# Altium PCB 移动无线控制.PcbDoc (part 1 of 4) (continued)
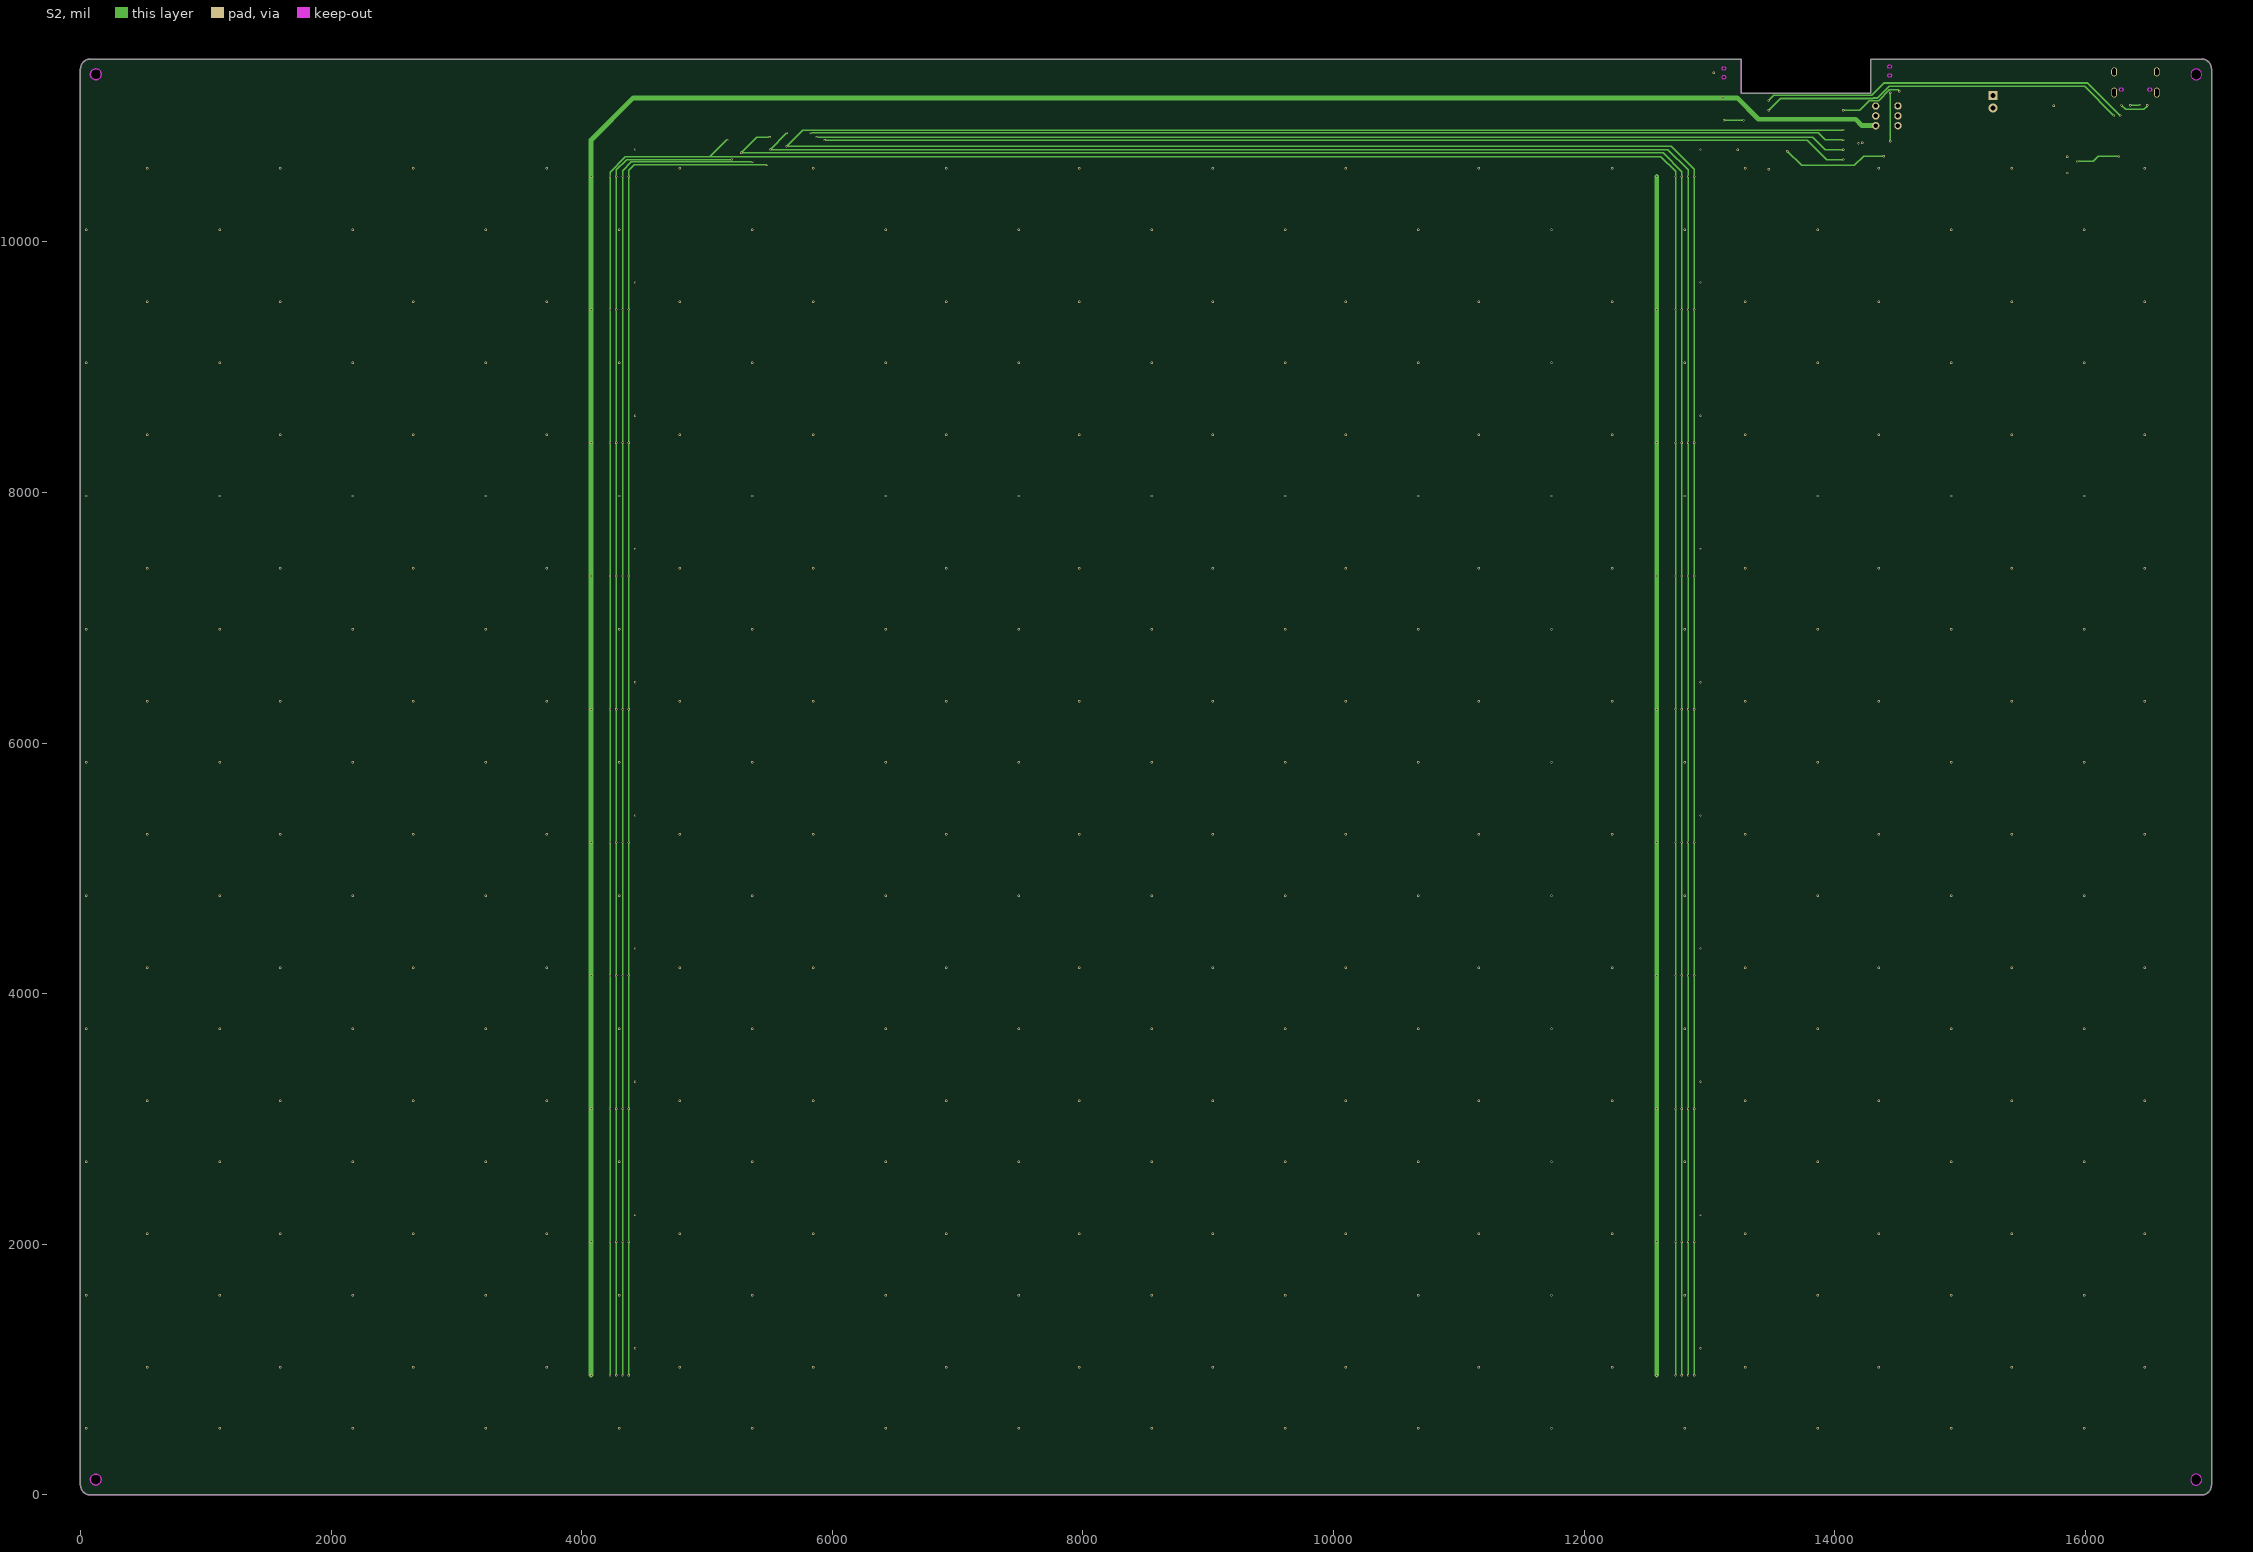
[diagram p3: S2]

## Layer stack, top to bottom
Top Solder: solder mask 0.4, Solder Resist, Dk 3.5
Top Layer: signal copper 1.4
Dielectric 1: core 10, FR-4, Dk 4.2
GND: signal copper 1.417
Dielectric 2: core 10, Dk 4.2
S2: signal copper 1.417
Dielectric 3: prepreg 5, Dk 4.2
Bottom Layer: signal copper 1.4
Bottom Solder: solder mask 0.4, Solder Resist, Dk 3.5

## Board outline
0,78.74 0,11380.96 cw(c78.74,11380.96) 78.74,11459.7 13254.45,11459.7 13254.45,11188.1 14288.15,11188.1 14288.15,11459.7 16929.13,11459.7 cw(c16929.13,11380.96) 17007.87,11380.96 17007.87,78.74 cw(c16929.13,78.74) 16929.13,0 78.74,0 cw(c78.74,78.74)
cut-out: 121.95,79.09 cw(c121.95,122.39) 78.64,122.39 cw(c121.95,122.39) 121.95,165.7 cw(c121.95,122.39) 165.26,122.39 cw(c121.95,122.39)
cut-out: 16841.97,121.95 ccw(c16885.28,121.95) 16885.28,78.64 ccw(c16885.28,121.95) 16928.59,121.95 ccw(c16885.28,121.95) 16885.28,165.26 ccw(c16885.28,121.95)
cut-out: 16842.62,11337.11 ccw(c16885.92,11337.11) 16885.92,11293.8 ccw(c16885.92,11337.11) 16929.23,11337.11 ccw(c16885.92,11337.11) 16885.92,11380.41 ccw(c16885.92,11337.11)
cut-out: 122.59,11294.44 cw(c122.59,11337.75) 79.29,11337.75 cw(c122.59,11337.75) 122.59,11381.06 cw(c122.59,11337.75) 165.9,11337.75 cw(c122.59,11337.75)

## Design rules (kind name [scope] priority, off if disabled: settings)
Clearance [All] p1: gap=10 except(3.94: Via-Poly; 5: Track-Track Track-SMDPad Track-THPad Track-Via SMDPad-SMDPad)
DiffPairsRouting [All] p1: maxlimit=10 minlimit=10 mostfreqgap=10 toplayer_minwidth=15 toplayer_maxwidth=15 toplayer_prefwidth=15 midlayer1_minwidth=15 midlayer1_maxwidth=15 midlayer1_prefwidth=15 midlayer2_minwidth=15 midlayer2_maxwidth=15 midlayer2_prefwidth=15 bottomlayer_minwidth=15 bottomlayer_maxwidth=15 bottomlayer_prefwidth=15 maxuncoupledlength=500
MinimumSolderMaskSliver [All] p1: minsoldermaskwidth=0
PolygonConnect [All] p1: connectstyle=Direct reliefconductorwidth=10 reliefentries=4 polygonreliefangle="90 Angle" airgapwidth=10
RoutingVias [All] p1: holewidth=28 width=50 viastyle="Through Hole" minholewidth=28 minwidth=50 maxholewidth=28 maxwidth=50
SilkToSilkClearance [All] p1: silktosilkclearance=1
SilkToSolderMaskClearance [IsPad] p1: minsilkscreentomaskgap=0 clearancetoexposedcopper=TRUE
SolderMaskExpansion [All] p1: expansion=4
Width [All] p1: maxlimit=39.37 minlimit=5 preferedwidth=10
26 further rules are at their usual default settings.

## Classes and differential pairs
differential pair NewDifferentialPair1: +ESP_TXD -ESP_RXD

## Components (designator, comment, footprint, x,y, rotation, side; value= is the part's Value field where it differs from the comment)
BL1 "Comment" L0402 530.98,10500 r90 bottom
BL1_1 "Comment" L0402 1593.99,10500 r90 bottom
BL1_2 "Comment" L0402 2656.98,10500 r90 bottom
BL1_3 "Comment" L0402 3719.98,10500 r90 bottom
BL1_4 "Comment" L0402 4782.97,10500 r90 bottom
BL1_5 "Comment" L0402 5845.96,10500 r90 bottom
BL1_6 "Comment" L0402 6908.95,10500 r90 bottom
BL1_7 "Comment" L0402 7971.94,10500 r90 bottom
BL1_8 "Comment" L0402 9034.94,10500 r90 bottom
BL1_9 "Comment" L0402 10097.93,10500 r90 bottom
BL1_10 "Comment" L0402 11160.92,10500 r90 bottom
BL1_11 "Comment" L0402 12223.91,10500 r90 bottom
BL1_12 "Comment" L0402 13286.91,10500 r90 bottom
BL1_13 "Comment" L0402 14349.9,10500 r90 bottom
BL1_14 "Comment" L0402 15412.89,10500 r90 bottom
BL1_15 "Comment" L0402 16475.88,10500 r90 bottom
BL2 "Comment" L0402 531,9437.01 r90 bottom
BL2_1 "Comment" L0402 1593.99,9437.01 r90 bottom
BL2_2 "Comment" L0402 2656.98,9437.01 r90 bottom
BL2_3 "Comment" L0402 3719.98,9437.01 r90 bottom
BL2_4 "Comment" L0402 4782.97,9437.01 r90 bottom
BL2_5 "Comment" L0402 5845.96,9437.01 r90 bottom
BL2_6 "Comment" L0402 6908.95,9437.01 r90 bottom
BL2_7 "Comment" L0402 7971.94,9437.01 r90 bottom
BL2_8 "Comment" L0402 9034.94,9437.01 r90 bottom
BL2_9 "Comment" L0402 10097.93,9437.01 r90 bottom
BL2_10 "Comment" L0402 11160.92,9437.01 r90 bottom
BL2_11 "Comment" L0402 12223.91,9437.01 r90 bottom
BL2_12 "Comment" L0402 13286.91,9437.01 r90 bottom
BL2_13 "Comment" L0402 14349.9,9437.01 r90 bottom
BL2_14 "Comment" L0402 15412.89,9437.01 r90 bottom
BL2_15 "Comment" L0402 16475.88,9437.01 r90 bottom
BL3 "Comment" L0402 531,8374.02 r90 bottom
BL3_1 "Comment" L0402 1593.99,8374.02 r90 bottom
BL3_2 "Comment" L0402 2656.98,8374.02 r90 bottom
BL3_3 "Comment" L0402 3719.98,8374.02 r90 bottom
BL3_4 "Comment" L0402 4782.97,8374.02 r90 bottom
BL3_5 "Comment" L0402 5845.96,8374.02 r90 bottom
BL3_6 "Comment" L0402 6908.95,8374.02 r90 bottom
BL3_7 "Comment" L0402 7971.94,8374.02 r90 bottom
BL3_8 "Comment" L0402 9034.94,8374.02 r90 bottom
BL3_9 "Comment" L0402 10097.93,8374.02 r90 bottom
BL3_10 "Comment" L0402 11160.92,8374.02 r90 bottom
BL3_11 "Comment" L0402 12223.91,8374.02 r90 bottom
BL3_12 "Comment" L0402 13286.91,8374.02 r90 bottom
BL3_13 "Comment" L0402 14349.9,8374.02 r90 bottom
BL3_14 "Comment" L0402 15412.89,8374.02 r90 bottom
BL3_15 "Comment" L0402 16475.88,8374.02 r90 bottom
BL4 "Comment" L0402 531,7311.02 r90 bottom
BL4_1 "Comment" L0402 1593.99,7311.02 r90 bottom
BL4_2 "Comment" L0402 2656.98,7311.02 r90 bottom
BL4_3 "Comment" L0402 3719.98,7311.02 r90 bottom
BL4_4 "Comment" L0402 4782.97,7311.02 r90 bottom
BL4_5 "Comment" L0402 5845.96,7311.02 r90 bottom
BL4_6 "Comment" L0402 6908.95,7311.02 r90 bottom
BL4_7 "Comment" L0402 7971.94,7311.02 r90 bottom
BL4_8 "Comment" L0402 9034.94,7311.02 r90 bottom
BL4_9 "Comment" L0402 10097.93,7311.02 r90 bottom
BL4_10 "Comment" L0402 11160.92,7311.02 r90 bottom
BL4_11 "Comment" L0402 12223.91,7311.02 r90 bottom
BL4_12 "Comment" L0402 13286.91,7311.02 r90 bottom
BL4_13 "Comment" L0402 14349.9,7311.02 r90 bottom
BL4_14 "Comment" L0402 15412.89,7311.02 r90 bottom
BL4_15 "Comment" L0402 16475.88,7311.02 r90 bottom
BL5 "Comment" L0402 531,6248.03 r90 bottom
BL5_1 "Comment" L0402 1593.99,6248.03 r90 bottom
BL5_2 "Comment" L0402 2656.98,6248.03 r90 bottom
BL5_3 "Comment" L0402 3719.98,6248.03 r90 bottom
BL5_4 "Comment" L0402 4782.97,6248.03 r90 bottom
BL5_5 "Comment" L0402 5845.96,6248.03 r90 bottom
BL5_6 "Comment" L0402 6908.95,6248.03 r90 bottom
BL5_7 "Comment" L0402 7971.94,6248.03 r90 bottom
BL5_8 "Comment" L0402 9034.94,6248.03 r90 bottom
BL5_9 "Comment" L0402 10097.93,6248.03 r90 bottom
BL5_10 "Comment" L0402 11160.92,6248.03 r90 bottom
BL5_11 "Comment" L0402 12223.91,6248.03 r90 bottom
BL5_12 "Comment" L0402 13286.91,6248.03 r90 bottom
BL5_13 "Comment" L0402 14349.9,6248.03 r90 bottom
BL5_14 "Comment" L0402 15412.89,6248.03 r90 bottom
BL5_15 "Comment" L0402 16475.88,6248.03 r90 bottom
BL6 "Comment" L0402 531,5185.04 r90 bottom
BL6_1 "Comment" L0402 1593.99,5185.04 r90 bottom
BL6_2 "Comment" L0402 2656.98,5185.04 r90 bottom
BL6_3 "Comment" L0402 3719.98,5185.04 r90 bottom
BL6_4 "Comment" L0402 4782.97,5185.04 r90 bottom
BL6_5 "Comment" L0402 5845.96,5185.04 r90 bottom
BL6_6 "Comment" L0402 6908.95,5185.04 r90 bottom
BL6_7 "Comment" L0402 7971.94,5185.04 r90 bottom
BL6_8 "Comment" L0402 9034.94,5185.04 r90 bottom
BL6_9 "Comment" L0402 10097.93,5185.04 r90 bottom
BL6_10 "Comment" L0402 11160.92,5185.04 r90 bottom
BL6_11 "Comment" L0402 12223.91,5185.04 r90 bottom
BL6_12 "Comment" L0402 13286.91,5185.04 r90 bottom
BL6_13 "Comment" L0402 14349.9,5185.04 r90 bottom
BL6_14 "Comment" L0402 15412.89,5185.04 r90 bottom
BL6_15 "Comment" L0402 16475.88,5185.04 r90 bottom
BL7 "Comment" L0402 531,4122.05 r90 bottom
BL7_1 "Comment" L0402 1593.99,4122.05 r90 bottom
BL7_2 "Comment" L0402 2656.98,4122.05 r90 bottom
BL7_3 "Comment" L0402 3719.98,4122.05 r90 bottom
BL7_4 "Comment" L0402 4782.97,4122.05 r90 bottom
BL7_5 "Comment" L0402 5845.96,4122.05 r90 bottom
BL7_6 "Comment" L0402 6908.95,4122.05 r90 bottom
BL7_7 "Comment" L0402 7971.94,4122.05 r90 bottom
BL7_8 "Comment" L0402 9034.94,4122.05 r90 bottom
BL7_9 "Comment" L0402 10097.93,4122.05 r90 bottom
BL7_10 "Comment" L0402 11160.92,4122.05 r90 bottom
BL7_11 "Comment" L0402 12223.91,4122.05 r90 bottom
BL7_12 "Comment" L0402 13286.91,4122.05 r90 bottom
BL7_13 "Comment" L0402 14349.9,4122.05 r90 bottom
BL7_14 "Comment" L0402 15412.89,4122.05 r90 bottom
BL7_15 "Comment" L0402 16475.88,4122.05 r90 bottom
BL8 "Comment" L0402 531,3059.06 r90 bottom
BL8_1 "Comment" L0402 1593.99,3059.06 r90 bottom
BL8_2 "Comment" L0402 2656.98,3059.06 r90 bottom
BL8_3 "Comment" L0402 3719.98,3059.06 r90 bottom
BL8_4 "Comment" L0402 4782.97,3059.06 r90 bottom
BL8_5 "Comment" L0402 5845.96,3059.06 r90 bottom
BL8_6 "Comment" L0402 6908.95,3059.06 r90 bottom
BL8_7 "Comment" L0402 7971.94,3059.06 r90 bottom
BL8_8 "Comment" L0402 9034.94,3059.06 r90 bottom
BL8_9 "Comment" L0402 10097.93,3059.06 r90 bottom
BL8_10 "Comment" L0402 11160.92,3059.06 r90 bottom
BL8_11 "Comment" L0402 12223.91,3059.06 r90 bottom
BL8_12 "Comment" L0402 13286.91,3059.06 r90 bottom
BL8_13 "Comment" L0402 14349.9,3059.06 r90 bottom
BL8_14 "Comment" L0402 15412.89,3059.06 r90 bottom
BL8_15 "Comment" L0402 16475.88,3059.06 r90 bottom
BL9 "Comment" L0402 531,1996.06 r90 bottom
BL9_1 "Comment" L0402 1593.99,1996.06 r90 bottom
BL9_2 "Comment" L0402 2656.98,1996.06 r90 bottom
BL9_3 "Comment" L0402 3719.98,1996.06 r90 bottom
BL9_4 "Comment" L0402 4782.97,1996.06 r90 bottom
BL9_5 "Comment" L0402 5845.96,1996.06 r90 bottom
BL9_6 "Comment" L0402 6908.95,1996.06 r90 bottom
BL9_7 "Comment" L0402 7971.94,1996.06 r90 bottom
BL9_8 "Comment" L0402 9034.94,1996.06 r90 bottom
BL9_9 "Comment" L0402 10097.93,1996.06 r90 bottom
BL9_10 "Comment" L0402 11160.92,1996.06 r90 bottom
BL9_11 "Comment" L0402 12223.91,1996.06 r90 bottom
BL9_12 "Comment" L0402 13286.91,1996.06 r90 bottom
BL9_13 "Comment" L0402 14349.9,1996.06 r90 bottom
BL9_14 "Comment" L0402 15412.89,1996.06 r90 bottom
BL9_15 "Comment" L0402 16475.88,1996.06 r90 bottom
BL10 "Comment" L0402 531,933.07 r90 bottom
BL10_1 "Comment" L0402 1593.99,933.07 r90 bottom
BL10_2 "Comment" L0402 2656.98,933.07 r90 bottom
BL10_3 "Comment" L0402 3719.98,933.07 r90 bottom
BL10_4 "Comment" L0402 4782.97,933.07 r90 bottom
BL10_5 "Comment" L0402 5845.96,933.07 r90 bottom
BL10_6 "Comment" L0402 6908.95,933.07 r90 bottom
BL10_7 "Comment" L0402 7971.94,933.07 r90 bottom
BL10_8 "Comment" L0402 9034.94,933.07 r90 bottom
BL10_9 "Comment" L0402 10097.93,933.07 r90 bottom
BL10_10 "Comment" L0402 11160.92,933.07 r90 bottom
BL10_11 "Comment" L0402 12223.91,933.07 r90 bottom
BL10_12 "Comment" L0402 13286.91,933.07 r90 bottom
BL10_13 "Comment" L0402 14349.9,933.07 r90 bottom
BL10_14 "Comment" L0402 15412.89,933.07 r90 bottom
BL10_15 "Comment" L0402 16475.88,933.07 r90 bottom
BR_1 "24K" R0603 16446.1,10407.7 r180 bottom (schematic designator R57)
BR_1_1 "24K" R0603 7942.16,10407.7 r180 bottom (schematic designator R57)
BR_1_2 "24K" R0603 16446.1,9344.71 r180 bottom (schematic designator R57)
BR_1_3 "24K" R0603 7942.16,9344.71 r180 bottom (schematic designator R57)
BR_1_4 "24K" R0603 16446.1,8281.72 r180 bottom (schematic designator R57)
BR_1_5 "24K" R0603 7942.16,8281.72 r180 bottom (schematic designator R57)
BR_1_6 "24K" R0603 16446.1,7218.72 r180 bottom (schematic designator R57)
BR_1_7 "24K" R0603 7942.16,7218.72 r180 bottom (schematic designator R57)
BR_1_8 "24K" R0603 16446.1,6155.73 r180 bottom (schematic designator R57)
BR_1_9 "24K" R0603 7942.16,6155.73 r180 bottom (schematic designator R57)
BR_1_10 "24K" R0603 16446.1,5092.74 r180 bottom (schematic designator R57)
BR_1_11 "24K" R0603 7942.16,5092.74 r180 bottom (schematic designator R57)
BR_1_12 "24K" R0603 16446.1,4029.75 r180 bottom (schematic designator R57)
BR_1_13 "24K" R0603 7942.16,4029.75 r180 bottom (schematic designator R57)
BR_1_14 "24K" R0603 16446.1,2966.76 r180 bottom (schematic designator R57)
BR_1_15 "24K" R0603 7942.16,2966.76 r180 bottom (schematic designator R57)
BR_1_16 "24K" R0603 16446.1,1903.76 r180 bottom (schematic designator R57)
BR_1_17 "24K" R0603 7942.16,1903.76 r180 bottom (schematic designator R57)
BR_1_18 "24K" R0603 16446.1,840.77 r180 bottom (schematic designator R57)
BR_1_19 "24K" R0603 7942.16,840.77 r180 bottom (schematic designator R57)
BR_2 "24K" R0603 15383.11,10407.7 r180 bottom (schematic designator R57)
BR_2_1 "24K" R0603 6879.17,10407.7 r180 bottom (schematic designator R57)
BR_2_2 "24K" R0603 15383.11,9344.71 r180 bottom (schematic designator R57)
BR_2_3 "24K" R0603 6879.17,9344.71 r180 bottom (schematic designator R57)
BR_2_4 "24K" R0603 15383.11,8281.72 r180 bottom (schematic designator R57)
BR_2_5 "24K" R0603 6879.17,8281.72 r180 bottom (schematic designator R57)
BR_2_6 "24K" R0603 15383.11,7218.72 r180 bottom (schematic designator R57)
BR_2_7 "24K" R0603 6879.17,7218.72 r180 bottom (schematic designator R57)
BR_2_8 "24K" R0603 15383.11,6155.73 r180 bottom (schematic designator R57)
BR_2_9 "24K" R0603 6879.17,6155.73 r180 bottom (schematic designator R57)
BR_2_10 "24K" R0603 15383.11,5092.74 r180 bottom (schematic designator R57)
BR_2_11 "24K" R0603 6879.17,5092.74 r180 bottom (schematic designator R57)
BR_2_12 "24K" R0603 15383.11,4029.75 r180 bottom (schematic designator R57)
BR_2_13 "24K" R0603 6879.17,4029.75 r180 bottom (schematic designator R57)
BR_2_14 "24K" R0603 15383.11,2966.76 r180 bottom (schematic designator R57)
BR_2_15 "24K" R0603 6879.17,2966.76 r180 bottom (schematic designator R57)
BR_2_16 "24K" R0603 15383.11,1903.76 r180 bottom (schematic designator R57)
BR_2_17 "24K" R0603 6879.17,1903.76 r180 bottom (schematic designator R57)
BR_2_18 "24K" R0603 15383.11,840.77 r180 bottom (schematic designator R57)
BR_2_19 "24K" R0603 6879.17,840.77 r180 bottom (schematic designator R57)
BR_3 "24K" R0603 14320.12,10407.7 r180 bottom (schematic designator R57)
BR_3_1 "24K" R0603 5816.18,10407.7 r180 bottom (schematic designator R57)
BR_3_2 "24K" R0603 14320.12,9344.71 r180 bottom (schematic designator R57)
BR_3_3 "24K" R0603 5816.18,9344.71 r180 bottom (schematic designator R57)
BR_3_4 "24K" R0603 14320.12,8281.72 r180 bottom (schematic designator R57)
BR_3_5 "24K" R0603 5816.18,8281.72 r180 bottom (schematic designator R57)
BR_3_6 "24K" R0603 14320.12,7218.72 r180 bottom (schematic designator R57)
BR_3_7 "24K" R0603 5816.18,7218.72 r180 bottom (schematic designator R57)
BR_3_8 "24K" R0603 14320.12,6155.73 r180 bottom (schematic designator R57)
BR_3_9 "24K" R0603 5816.18,6155.73 r180 bottom (schematic designator R57)
BR_3_10 "24K" R0603 14320.12,5092.74 r180 bottom (schematic designator R57)
BR_3_11 "24K" R0603 5816.18,5092.74 r180 bottom (schematic designator R57)
BR_3_12 "24K" R0603 14320.12,4029.75 r180 bottom (schematic designator R57)
BR_3_13 "24K" R0603 5816.18,4029.75 r180 bottom (schematic designator R57)
BR_3_14 "24K" R0603 14320.12,2966.76 r180 bottom (schematic designator R57)
BR_3_15 "24K" R0603 5816.18,2966.76 r180 bottom (schematic designator R57)
BR_3_16 "24K" R0603 14320.12,1903.76 r180 bottom (schematic designator R57)
BR_3_17 "24K" R0603 5816.18,1903.76 r180 bottom (schematic designator R57)
BR_3_18 "24K" R0603 14320.12,840.77 r180 bottom (schematic designator R57)
BR_3_19 "24K" R0603 5816.18,840.77 r180 bottom (schematic designator R57)
BR_4 "24K" R0603 13257.12,10407.7 r180 bottom (schematic designator R57)
BR_4_1 "24K" R0603 4753.19,10407.7 r180 bottom (schematic designator R57)
BR_4_2 "24K" R0603 13257.12,9344.71 r180 bottom (schematic designator R57)
BR_4_3 "24K" R0603 4753.19,9344.71 r180 bottom (schematic designator R57)
BR_4_4 "24K" R0603 13257.12,8281.72 r180 bottom (schematic designator R57)
BR_4_5 "24K" R0603 4753.19,8281.72 r180 bottom (schematic designator R57)
BR_4_6 "24K" R0603 13257.12,7218.72 r180 bottom (schematic designator R57)
BR_4_7 "24K" R0603 4753.19,7218.72 r180 bottom (schematic designator R57)
BR_4_8 "24K" R0603 13257.12,6155.73 r180 bottom (schematic designator R57)
BR_4_9 "24K" R0603 4753.19,6155.73 r180 bottom (schematic designator R57)
BR_4_10 "24K" R0603 13257.12,5092.74 r180 bottom (schematic designator R57)
BR_4_11 "24K" R0603 4753.19,5092.74 r180 bottom (schematic designator R57)
BR_4_12 "24K" R0603 13257.12,4029.75 r180 bottom (schematic designator R57)
BR_4_13 "24K" R0603 4753.19,4029.75 r180 bottom (schematic designator R57)
BR_4_14 "24K" R0603 13257.12,2966.76 r180 bottom (schematic designator R57)
BR_4_15 "24K" R0603 4753.19,2966.76 r180 bottom (schematic designator R57)
BR_4_16 "24K" R0603 13257.12,1903.76 r180 bottom (schematic designator R57)
BR_4_17 "24K" R0603 4753.19,1903.76 r180 bottom (schematic designator R57)
BR_4_18 "24K" R0603 13257.12,840.77 r180 bottom (schematic designator R57)
BR_4_19 "24K" R0603 4753.19,840.77 r180 bottom (schematic designator R57)
BR_5 "24K" R0603 12254.5,10403 r0 bottom (schematic designator R57)
BR_5_1 "24K" R0603 3750.56,10403 r0 bottom (schematic designator R57)
BR_5_2 "24K" R0603 12254.5,9340.01 r0 bottom (schematic designator R57)
BR_5_3 "24K" R0603 3750.56,9340.01 r0 bottom (schematic designator R57)
BR_5_4 "24K" R0603 12254.5,8277.02 r0 bottom (schematic designator R57)
BR_5_5 "24K" R0603 3750.56,8277.02 r0 bottom (schematic designator R57)
BR_5_6 "24K" R0603 12254.5,7214.02 r0 bottom (schematic designator R57)
BR_5_7 "24K" R0603 3750.56,7214.02 r0 bottom (schematic designator R57)
BR_5_8 "24K" R0603 12254.5,6151.03 r0 bottom (schematic designator R57)
BR_5_9 "24K" R0603 3750.56,6151.03 r0 bottom (schematic designator R57)
BR_5_10 "24K" R0603 12254.5,5088.04 r0 bottom (schematic designator R57)
BR_5_11 "24K" R0603 3750.56,5088.04 r0 bottom (schematic designator R57)
BR_5_12 "24K" R0603 12254.5,4025.05 r0 bottom (schematic designator R57)
BR_5_13 "24K" R0603 3750.56,4025.05 r0 bottom (schematic designator R57)
BR_5_14 "24K" R0603 12254.5,2962.06 r0 bottom (schematic designator R57)
BR_5_15 "24K" R0603 3750.56,2962.06 r0 bottom (schematic designator R57)
BR_5_16 "24K" R0603 12254.5,1899.06 r0 bottom (schematic designator R57)
BR_5_17 "24K" R0603 3750.56,1899.06 r0 bottom (schematic designator R57)
BR_5_18 "24K" R0603 12254.5,836.07 r0 bottom (schematic designator R57)
BR_5_19 "24K" R0603 3750.56,836.07 r0 bottom (schematic designator R57)
BR_6 "24K" R0603 11189.4,10405.5 r0 bottom (schematic designator R57)
BR_6_1 "24K" R0603 2685.46,10405.5 r0 bottom (schematic designator R57)
BR_6_2 "24K" R0603 11189.4,9342.51 r0 bottom (schematic designator R57)
BR_6_3 "24K" R0603 2685.46,9342.51 r0 bottom (schematic designator R57)
BR_6_4 "24K" R0603 11189.4,8279.52 r0 bottom (schematic designator R57)
BR_6_5 "24K" R0603 2685.46,8279.52 r0 bottom (schematic designator R57)
BR_6_6 "24K" R0603 11189.4,7216.52 r0 bottom (schematic designator R57)
BR_6_7 "24K" R0603 2685.46,7216.52 r0 bottom (schematic designator R57)
BR_6_8 "24K" R0603 11189.4,6153.53 r0 bottom (schematic designator R57)
BR_6_9 "24K" R0603 2685.46,6153.53 r0 bottom (schematic designator R57)
BR_6_10 "24K" R0603 11189.4,5090.54 r0 bottom (schematic designator R57)
BR_6_11 "24K" R0603 2685.46,5090.54 r0 bottom (schematic designator R57)
BR_6_12 "24K" R0603 11189.4,4027.55 r0 bottom (schematic designator R57)
BR_6_13 "24K" R0603 2685.46,4027.55 r0 bottom (schematic designator R57)
BR_6_14 "24K" R0603 11189.4,2964.56 r0 bottom (schematic designator R57)
BR_6_15 "24K" R0603 2685.46,2964.56 r0 bottom (schematic designator R57)
BR_6_16 "24K" R0603 11189.4,1901.56 r0 bottom (schematic designator R57)
BR_6_17 "24K" R0603 2685.46,1901.56 r0 bottom (schematic designator R57)
BR_6_18 "24K" R0603 11189.4,838.57 r0 bottom (schematic designator R57)
BR_6_19 "24K" R0603 2685.46,838.57 r0 bottom (schematic designator R57)
BR_7 "24K" R0603 10125.2,10406 r0 bottom (schematic designator R57)
BR_7_1 "24K" R0603 1621.26,10406 r0 bottom (schematic designator R57)
BR_7_2 "24K" R0603 10125.2,9343.01 r0 bottom (schematic designator R57)
BR_7_3 "24K" R0603 1621.26,9343.01 r0 bottom (schematic designator R57)
BR_7_4 "24K" R0603 10125.2,8280.02 r0 bottom (schematic designator R57)
BR_7_5 "24K" R0603 1621.26,8280.02 r0 bottom (schematic designator R57)
BR_7_6 "24K" R0603 10125.2,7217.02 r0 bottom (schematic designator R57)
BR_7_7 "24K" R0603 1621.26,7217.02 r0 bottom (schematic designator R57)
BR_7_8 "24K" R0603 10125.2,6154.03 r0 bottom (schematic designator R57)
BR_7_9 "24K" R0603 1621.26,6154.03 r0 bottom (schematic designator R57)
BR_7_10 "24K" R0603 10125.2,5091.04 r0 bottom (schematic designator R57)
BR_7_11 "24K" R0603 1621.26,5091.04 r0 bottom (schematic designator R57)
BR_7_12 "24K" R0603 10125.2,4028.05 r0 bottom (schematic designator R57)
BR_7_13 "24K" R0603 1621.26,4028.05 r0 bottom (schematic designator R57)
BR_7_14 "24K" R0603 10125.2,2965.06 r0 bottom (schematic designator R57)
BR_7_15 "24K" R0603 1621.26,2965.06 r0 bottom (schematic designator R57)
BR_7_16 "24K" R0603 10125.2,1902.06 r0 bottom (schematic designator R57)
BR_7_17 "24K" R0603 1621.26,1902.06 r0 bottom (schematic designator R57)
BR_7_18 "24K" R0603 10125.2,839.07 r0 bottom (schematic designator R57)
BR_7_19 "24K" R0603 1621.26,839.07 r0 bottom (schematic designator R57)
BR_8 "24K" R0603 9064.2,10405.5 r0 bottom (schematic designator R57)